# Altium PCB xialeste.PcbDoc (part 9 of 10)
Units mm, origin at the board's own origin, x right, y up, seen from the top; angles counter-clockwise.
Board outline 203.2 x 171.45 mm, 6 copper layers (L1, L2, L3, L4 (PWR), L5, L6), stack 1.542 mm thick; 748 components, 618 nets, 3334 pads, 1535 vias.
Unrouted connection lines stored in the file: 160.
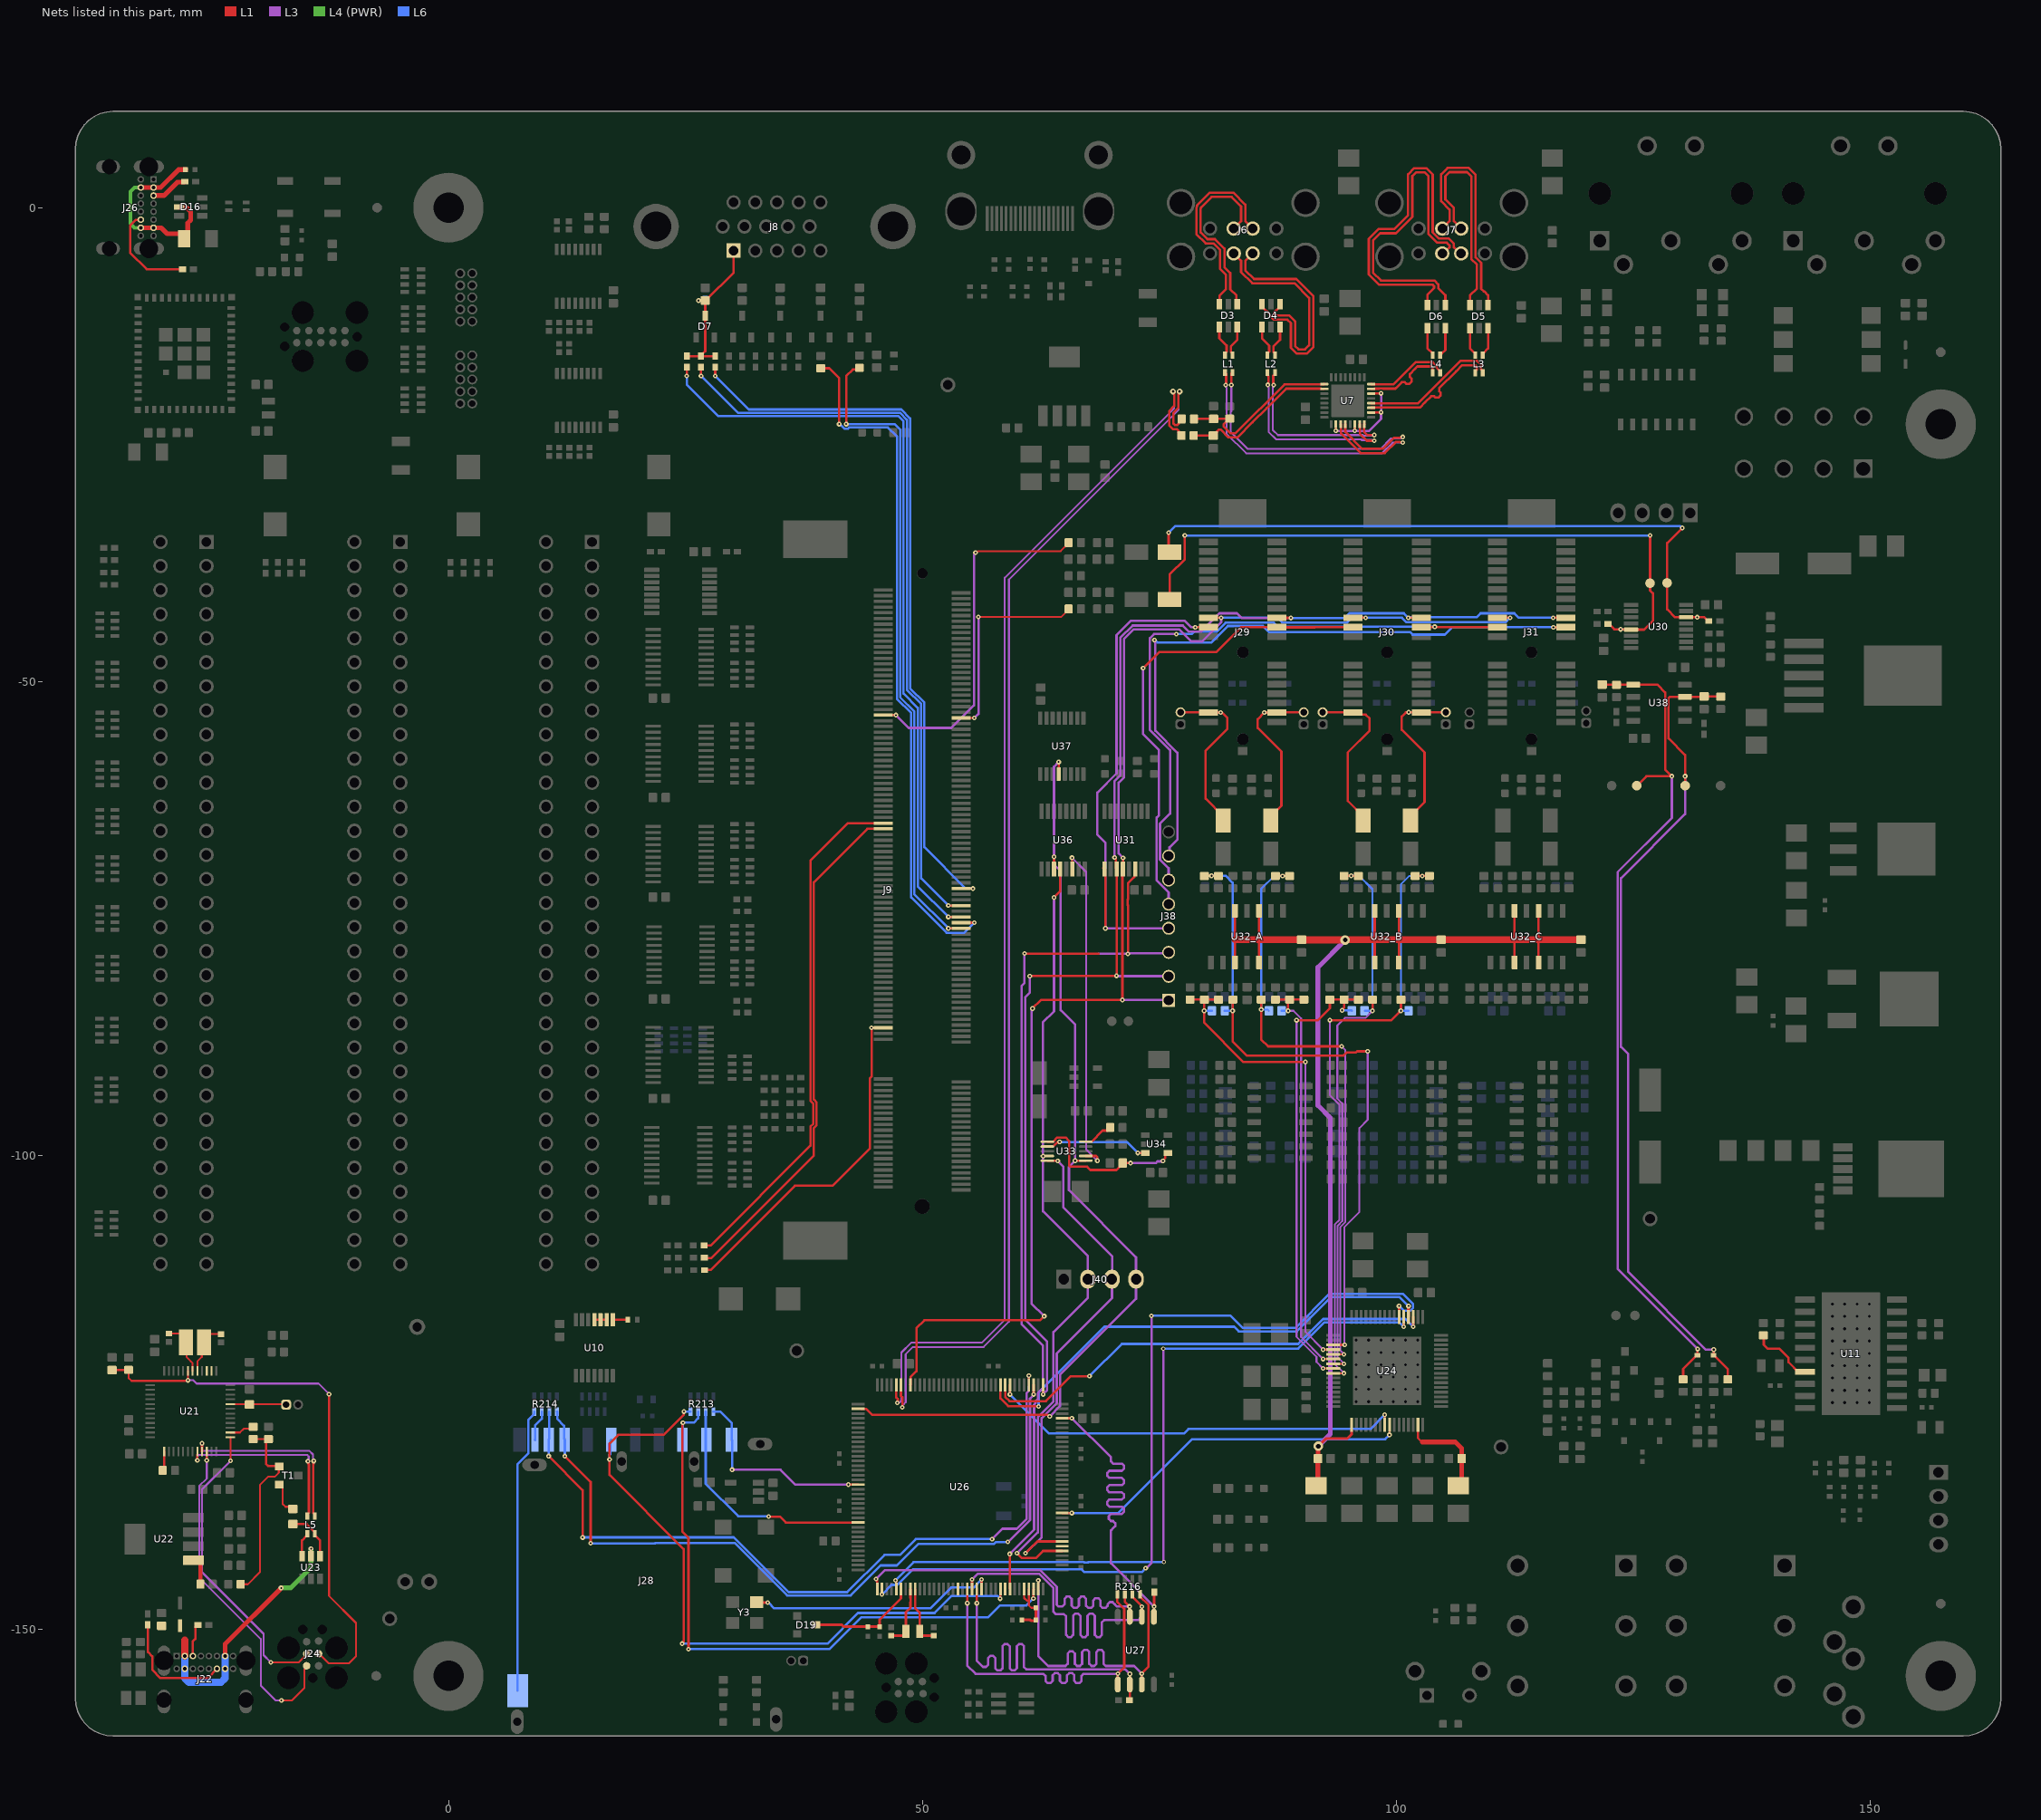
[diagram p13: the nets of this part, all layers, seen from the top]

## Via types
v1: diameter 0.5, hole 0.2, L1 to L6, tented both sides, 977 vias
v2: diameter 1, hole 0.5, L1 to L6, 416 vias
v3: diameter 0.6, hole 0.3, L1 to L6, 96 vias
v4: diameter 0.45, hole 0.25, L1 to L6, 26 vias
v5: diameter 0.5, hole 0.2, L1 to L6, 10 vias
v6: diameter 1, hole 0.5, L1 to L6, tented both sides, 10 vias

## Nets (pads, with @x,y where several pads share a name; then routed paths per layer and width w, separated by ;. In a path a pad name is that pad's centre, name@x,y a point inside that pad or via, vN(x,y) a via of type N, cw(c..) or ccw(c..) an arc to the next point about the centre after c; other vN are vias at no path point) (continued)
NetR127_2: R127.2 U11.17 | length 7
  L1 w0.25: R127.2@138.8,-118.75 138.8,-120 139.2,-120.4 140.425,-120.4 141.413,-121.387 141.413,-121.843 142.425,-122.855 U11.17@143.15,-122.855
NetR193_1: R193.1 R194.1 R195.2 T1.1 | length 20.6
  L1 w0.2: R193.1@-21.932,-145.267 -21.167,-145.267 -19.9,-144 -19.9,-134.8 -19,-133.9 -18.3,-133.9 -17.893,-133.493 -17.9,-133.487 T1.1@-17.9,-132.9 ; R194.1@-20.6,-129.95 -19.262,-129.95 R195.2@-19.25,-129.938
  L1 w0.25: R195.2@-19,-129.95 -19.25,-129.95 -19.25,-132.569 -19.034,-132.785 -17.898,-132.785 T1.1@-17.851,-132.832
NetR196_1: R196.1 T1.2 | length 3.5
  L1 w0.2: T1.2@-17.851,-134.732 -17.801,-134.732 -17.501,-135.032 -17.501,-136.792 -17.202,-137.091 -16.632,-137.091 R196.1@-16.413,-137.31
NetR215_2: R215.2 U10.8 | length 1.6
  L1 w0.25: U10.8@17.35,-117.35 17.357,-117.343 18.836,-117.343 R215.2@18.879,-117.3
NetR290_1: R290.1 U22.1 | length 3
  L1 w0.4: U22.1@-26.9,-142.75 -26.475,-142.75 -26.175,-143.05 R290.1@-26.175,-145.25
NetU10_9: U10.9 U10.10 U10.11 | length 1.6
  L1 w0.25: U10.11@15.4,-117.35 U10.10@16.05,-117.35 16.694,-117.35 U10.9@16.78,-117.437 ; U10.9@16.6,-117.25 U10.9@16.7,-117.35
O_N: C200.1 U33.1 U34.4 | length 16.8
  L1 w0.25: U33.1@63.202,-98.572 63.802,-98.572 64.249,-98.125 65.125,-98.125 65.5,-98.5 65.5,-101.054 65.646,-101.2 67.4,-101.2 67.747,-101.547 70.477,-101.547 71.152,-100.872 C200.1@71.152,-100.822 v1(71.977,-100.822) ; v1(75.4,-100.6) 75.4,-100.532 75.654,-100.279 75.654,-99.947 75.829,-99.772 U34.4@75.927,-99.772
  L3 w0.25: v1(71.977,-100.822) 74.65,-100.822 74.824,-100.648 75.352,-100.648 v1(75.4,-100.6)
O_P: U33.2 U34.3 | length 11
  L1 w0.25: U33.2@63.202,-99.072 63.802,-99.072 64.236,-98.638 64.462,-98.638 v1(64.5,-98.6) ; v1(72.75,-99.75) 72.761,-99.761 73.516,-99.761 U34.3@73.527,-99.772
  L6 w0.25: v1(64.5,-98.6) 71.6,-98.6 v1(72.75,-99.75)
OSCI: C109.1 U21.5 X1.1 | length 5.2
  L1 w0.2: U21.5@-26.5,-122.35 -26.5,-121.75 -26.033,-121.283 -26.033,-119.753 -25.915,-119.635 -25.15,-118.87 C109.1@-24,-118.87
OSCO: C110.1 U21.6 X1.2 | length 5.6
  L1 w0.2: C110.1@-29.5,-118.81 -28.35,-118.81 -27.7,-119.46 X1.2@-27.7,-119.75 -27.642,-119.808 -27.642,-121.283 -27.173,-121.752 -27,-121.925 U21.6@-27,-122.75
OUT_L: C210.2 R129.1 R131.2 R279.2 TP12.1 U38.1 | length 90.3
  L1 w0.25: C210.2@121.75,-50.325 121.77,-50.345 123.25,-50.345 U38.1@125.025,-50.345 127.595,-50.345 128.4,-51.15 128.4,-59.3 v1(129.1,-60) 126.4,-60 TP12.1@125.4,-61 ; R129.1@130.3,-123.65 130.3,-122.55 131.7,-121.15 R131.2@131.7,-121.1 ; R131.2@131.806,-121.04 131.808,-121.038 131.808,-120.455 v1(131.815,-120.448)
  L3 w0.25: v1(129.1,-60) 129.1,-64.4 123.375,-70.125 123.375,-111.975 131.815,-120.415 v1(131.815,-120.448)
OUT_R: C213.2 R128.1 R130.2 R283.2 TP15.1 U38.7 | length 87.6
  L1 w0.25: TP15.1@130.5,-61.024 TP15.1@130.5,-61 v1(130.5,-60) 130.5,-57.75 128.75,-56 128.75,-51.761 128.896,-51.615 U38.7@130.475,-51.615 130.5,-51.5 130.615,-51.615 132.46,-51.615 C213.2@132.5,-51.575 134.175,-51.575 134.2,-51.55 134.25,-51.5 R283.2@134.25,-51.6 ; v1(133.525,-120.505) 133.512,-120.517 133.512,-121.088 R130.2@133.5,-121.1 133.55,-121.1 135,-122.55 135,-123.6 R128.1@135.1,-123.7
  L3 w0.25: v1(130.5,-60) 130.5,-64 123.725,-70.775 123.725,-88.55 124.5,-89.325 124.5,-112.3 132.705,-120.505 v1(133.525,-120.505)
OVERCUR: U7.10 U7.14 U7.18 U7.22 | length 11.9
  L1 w0.25: v1@93.6,-23.546 93.619,-23.527 v1@93.646,-23.499 ; v1(93.646,-23.554) v1@93.646,-23.499 ; U7.10@93.65,-22.85 93.646,-22.867 v1@93.646,-23.499 ; v1@95.6,-23.546 95.619,-23.527 v1@95.646,-23.499 ; v1(95.646,-23.554) v1@95.646,-23.499 ; U7.14@95.65,-22.85 95.646,-22.852 v1@95.646,-23.499 ; U7.18@97.375,-21.625 97.39,-21.61 97.749,-21.61 97.762,-21.597 98.414,-21.597 v1(98.417,-21.6) ; U7.22@97.375,-19.625 97.388,-19.625 97.403,-19.61 97.749,-19.61 97.762,-19.597 v1@98.403,-19.597 ; v1@98.4,-19.6 v1@98.403,-19.597 ; v1(98.407,-19.593) v1@98.403,-19.597 ; v1@98.447,-19.593 98.44,-19.578 98.438,-19.575 98.416,-19.597 v1@98.403,-19.597
  L3 w0.25: v1@93.6,-23.546 93.6,-23.6 93.613,-23.587 95.587,-23.587 95.6,-23.6 v1@95.6,-23.546 ; v1@95.613,-23.587 97.113,-23.587 98.417,-22.283 v1(98.417,-21.6) ; v1(98.407,-19.593) 98.447,-19.593 v1@98.447,-21.563
P_BOOT0: J25.1 R203.1 U21.44 | length 6
  L1 w0.2: U21.44@-23,-126.25 J25.1@-17,-126.25
P_CLK: J24.4 U21.37 | length 32.2
  L1 w0.2: v1(-23,-132.25) U21.37@-23,-129.75 ; v1(-18.75,-153.5) -16.962,-153.5 ccw(c-16.875,-151.965) -16.788,-153.5 -15.776,-153.5 -14.97,-152.694 J24.4@-14.97,-152.6
  L3 w0.2: v1(-23,-132.25) -26,-135.25 -26,-144 -19.5,-150.5 -19.5,-152.75 v1(-18.75,-153.5)
P_DIO: J24.2 U21.34 | length 35.9
  L1 w0.2: v1(-25.5,-132.2) U21.34@-25.5,-131.25 ; v1(-17.626,-157.522) -16.522,-157.522 -15.2,-156.2 -15.2,-154.26 -14.97,-154.03 J24.2@-14.97,-153.87
  L3 w0.2: v1(-25.5,-132.2) -25.5,-134.109 -26.3,-134.909 -26.3,-144.55 -19.8,-151.05 -19.8,-155.95 -18.228,-157.522 v1(-17.626,-157.522)
P_NRST: C111.1 J24.3 R189.2 U21.7 | length 58.9
  L1 w0.2: C111.1@-35.5,-122.675 -35.478,-122.653 -33.753,-122.653 R189.2@-33.75,-122.65 -33.75,-123.5 -33.45,-123.8 -27.727,-123.8 -27.725,-123.798 -27.615,-123.798 v1@-27.568,-123.75 ; v1(-27.5,-123.75) U21.7@-27.5,-122.75 ; J24.3@-13.7,-152.6 -13.65,-152.6 -12.65,-153.6 -10.5,-153.6 -9.75,-152.85 -9.75,-149.35 -12.6,-146.5 v1(-12.6,-125.2)
  L3 w0.2: v1(-27.5,-123.75) -26.913,-123.75 -26.574,-124.09 -13.71,-124.09 v1(-12.6,-125.2)
PB12: R192.2 U21.25 | length 2.1
  L1 w0.2: R192.2@-30.15,-133.25 -30,-133.1 U21.25@-30,-131.25
PC13: U21.2
PC14: U21.3
PSG_BL: J9.156 R69.1 | length 37.6
  L1 w0.2: v1(55.617,-36.414) 55.684,-36.414 55.848,-36.25 64.6,-36.25 65.45,-35.4 R69.1@65.45,-35.35
  L1 w0.25: J9.156@45.9,-53.55 v1(47.233,-53.55)
  L3 w0.25: v1(47.233,-53.55) 48.583,-54.9 53.072,-54.9 55.455,-52.516 55.455,-36.629 55.617,-36.468 v1(55.617,-36.414)
PSG_BR: J9.155 R72.1 | length 22.1
  L1 w0.2: J9.155@54.1,-53.85 v1(55.5,-53.85) ; v1(55.93,-43.201) 64.649,-43.201 65.45,-42.4 R72.1@65.45,-42.35
  L3 w0.25: v1(55.5,-53.85) 55.93,-53.42 v1(55.93,-43.201)
PSG_L: C52.2 R281.1 TP13.1 U30.14 | length 70.5
  L1 w0.25: v1(76,-34.3) 76,-36 C52.2@76.1,-36.1 ; v1(130.2,-33.8) 128.6,-35.4 TP13.1@128.6,-39.6 128.6,-42.4 129.425,-43.225 U30.14@130.6,-43.225 v1(131.775,-43.225) 132.525,-43.225 R281.1@132.749,-43.449 ; R281.1@132.75,-43.449 R281.1@132.9,-43.599
  L6 w0.25: v1(76,-34.3) 76.675,-33.625 129.971,-33.625 130.146,-33.8 v1(130.2,-33.8)
PSG_R: C57.2 R285.1 TP16.1 U30.5 | length 71
  L1 w0.25: C57.2@76.1,-41.35 76.1,-38.718 77.7,-37.118 v1(77.7,-34.6) ; R285.1@122.375,-43.925 122.45,-43.925 123.025,-44.5 v1(123.7,-44.5) 123.712,-44.512 124.788,-44.512 U30.5@124.8,-44.525 126.175,-44.525 127.1,-43.6 127.1,-40.7 126.8,-40.4 126.8,-39.9 TP16.1@127,-39.7 ; TP16.1@126.8,-39.6 v1(126.8,-34.6)
  L6 w0.25: v1(77.7,-34.6) v1(126.8,-34.6)
QSPI_BK_IO0: R216.1 U26.20 U27.5 | length 39
  L1 w0.25: v1(54.747,-147.262) 54.747,-146.686 54.748,-146.684 54.748,-145.778 U26.20@54.75,-145.776 ; R216.1@70.585,-146.311 70.585,-147.131 71.309,-147.855 71.309,-154.047 70.643,-154.712 v1@70.643,-154.719 ; U27.5@70.63,-155.836 70.636,-155.83 70.636,-154.726 v1@70.643,-154.719 ; v1(70.637,-154.712) v1@70.643,-154.719
  L3 w0.25: v1(54.747,-147.262) 54.747,-153.847 55.612,-154.712 59.422,-154.712 62.778,-154.712 63.005,-154.94 63.005,-155.457 63.232,-155.685 63.536,-155.685 63.763,-155.457 63.763,-154.862 63.99,-154.635 64.294,-154.635 64.521,-154.862 64.521,-155.457 64.748,-155.685 65.052,-155.685 65.279,-155.457 65.279,-154.862 65.506,-154.635 65.81,-154.635 66.037,-154.862 66.037,-155.457 66.264,-155.685 66.568,-155.685 66.795,-155.457 66.795,-154.94 67.022,-154.712 67.147,-154.712 v1(70.637,-154.712)
QSPI_BK_IO1: R216.3 U26.21 U27.2 | length 38.9
  L1 w0.25: U26.21@55.25,-145.776 v1(55.25,-144.772) ; R216.3@72.185,-146.311 72.185,-146.561 73.19,-147.567 73.19,-147.611 v1@73.18,-147.622 ; U27.2@73.17,-148.686 73.18,-148.676 v1@73.18,-147.622 ; v1(73.17,-147.631) v1@73.18,-147.622
  L3 w0.25: v1(55.25,-144.772) 55.869,-144.153 62.325,-144.153 63.842,-145.669 63.842,-148.155 64.06,-148.373 64.106,-148.419 64.943,-148.419 65.17,-148.646 65.17,-150.617 65.398,-150.844 65.701,-150.844 65.928,-150.617 65.928,-148.596 66.156,-148.369 66.459,-148.369 66.686,-148.596 66.686,-150.617 66.914,-150.844 67.217,-150.844 67.444,-150.617 67.444,-148.596 67.672,-148.369 67.975,-148.369 68.202,-148.596 68.202,-150.617 68.43,-150.844 68.733,-150.844 68.96,-150.617 68.96,-149.276 69.188,-149.048 72.666,-149.048 72.777,-149.048 73.17,-148.655 v1(73.17,-147.631)
QSPI_BK_IO2: R216.2 U26.1 U27.3 | length 39.1
  L1 w0.25: v1(45.114,-144.714) 45.114,-144.768 45.235,-144.889 45.235,-145.761 U26.1@45.25,-145.776 ; R216.2@71.385,-146.311 71.385,-147.129 v1(71.867,-147.611) 71.883,-147.628 71.883,-148.67 U27.3@71.9,-148.686
  L3 w0.25: v1(45.114,-144.714) 46.045,-143.784 62.451,-143.784 64.192,-145.524 64.192,-147.43 64.373,-147.611 64.66,-147.611 64.785,-147.611 65.012,-147.384 65.012,-146.798 65.24,-146.571 65.543,-146.571 65.77,-146.798 65.77,-147.529 65.998,-147.757 66.301,-147.757 66.528,-147.529 66.528,-146.798 66.756,-146.571 67.059,-146.571 67.286,-146.798 67.286,-147.529 67.514,-147.757 67.817,-147.757 68.044,-147.529 68.044,-146.969 68.272,-146.742 68.575,-146.742 68.802,-146.969 68.802,-147.529 69.03,-147.757 69.333,-147.757 69.56,-147.529 69.56,-147.384 69.788,-147.157 70.091,-147.157 70.318,-147.384 70.546,-147.611 70.684,-147.611 v1(71.867,-147.611)
QSPI_BK_IO3: R216.4 U26.35 U27.7 | length 39.1
  L1 w0.25: U26.35@62.25,-145.776 v1@62.249,-144.861 ; R216.4@72.985,-146.311 72.985,-146.561 73.876,-147.453 73.876,-153.947 73.16,-154.662 v1(73.16,-154.712) 73.165,-154.717 73.165,-155.832 U27.7@73.17,-155.836
  L3 w0.25: v1(62.249,-144.86) 62.25,-144.862 62.25,-152.845 63.299,-153.894 63.563,-153.894 65.118,-153.894 65.346,-153.666 65.346,-152.577 65.573,-152.349 65.876,-152.349 66.104,-152.577 66.104,-153.666 66.331,-153.894 66.634,-153.894 66.862,-153.666 66.862,-152.415 67.089,-152.188 67.392,-152.188 67.62,-152.415 67.62,-153.666 67.847,-153.894 68.15,-153.894 68.378,-153.666 68.378,-152.415 68.605,-152.188 68.908,-152.188 69.136,-152.415 69.136,-153.666 69.363,-153.894 70.246,-153.894 70.288,-153.894 70.295,-153.887 70.978,-153.887 70.985,-153.894 72.342,-153.894 v1(73.16,-154.712)
QSPI_BK_NCS: R211.1 U26.69 U27.1 | length 39.1
  L1 w0.25: U26.69@64.776,-127.75 v1(65.78,-127.75) ; U27.1@74.44,-148.686 74.455,-148.672 74.455,-147.626 v1@74.463,-147.617 ; v1(74.469,-147.611) v1@74.463,-147.617 ; R211.1@74.487,-146.096 74.463,-146.12 v1@74.463,-147.617
  L3 w0.25: v1(65.78,-127.75) 69.909,-131.879 69.909,-132.179 69.909,-132.304 70.137,-132.531 71.061,-132.531 71.289,-132.759 71.289,-133.062 71.061,-133.289 69.757,-133.289 69.53,-133.517 69.53,-133.82 69.757,-134.047 71.061,-134.047 71.289,-134.275 71.289,-134.578 71.061,-134.805 69.757,-134.805 69.53,-135.033 69.53,-135.336 69.757,-135.563 71.061,-135.563 71.289,-135.791 71.289,-136.094 71.061,-136.321 69.757,-136.321 69.53,-136.549 69.53,-136.852 69.757,-137.079 71.061,-137.079 71.289,-137.307 71.289,-137.61 71.061,-137.837 69.909,-137.837 69.681,-138.065 69.681,-138.368 69.909,-138.595 70.137,-138.595 70.364,-138.823 70.364,-139.126 70.137,-139.353 69.909,-139.581 69.909,-141.402 69.909,-143.051 v1(74.469,-147.611)
QSPI_CLK: R210.1 U26.22 U27.6 | length 39.1
  L1 w0.25: U26.22@55.75,-145.776 55.754,-145.78 55.754,-147.258 v1(55.758,-147.262) ; R210.1@71.86,-157.511 71.9,-157.471 U27.6@71.9,-155.836 71.905,-155.831 71.905,-154.737 v1(71.911,-154.731)
  L3 w0.25: v1(55.758,-147.262) 55.758,-148.28 55.758,-153.108 55.758,-153.344 56.038,-153.623 56.402,-153.987 56.723,-153.987 56.951,-153.76 56.951,-153.055 57.178,-152.827 57.481,-152.827 57.709,-153.055 57.709,-154.135 57.936,-154.362 58.239,-154.362 58.467,-154.135 58.467,-151.81 58.694,-151.582 58.997,-151.582 59.225,-151.81 59.225,-154.135 59.452,-154.362 59.755,-154.362 59.983,-154.135 59.983,-151.81 60.21,-151.582 60.513,-151.582 60.741,-151.81 60.741,-154.016 60.968,-154.244 63.242,-154.244 63.367,-154.244 70.433,-154.244 70.44,-154.237 70.833,-154.237 70.84,-154.244 71.424,-154.244 v1(71.911,-154.731)
R1: J9.85 R55.1 | length 81.9
  L1 w0.25: v1(25.15,-17.75) R55.1@25.15,-16.825 ; v1(52.75,-74.85) J9.85@54.1,-74.85
  L6 w0.25: v1(25.15,-17.75) 25.15,-18.65 28.5,-22 47.5,-22 48.025,-22.525 48.025,-51.275 49.525,-52.775 49.525,-71.625 v1(52.75,-74.85)
R2: J9.89 R56.1 | length 79
  L1 w0.25: v1(26.65,-17.75) R56.1@26.65,-16.825 ; v1(52.75,-73.65) J9.89@54.1,-73.65
  L6 w0.25: v1(26.65,-17.75) 30.55,-21.65 47.645,-21.65 48.375,-22.38 48.375,-50.875 49.875,-52.375 49.875,-70.775 v1(52.75,-73.65)
R3: J9.95 R57.1 | length 77.4
  L1 w0.25: v1(28.15,-17.75) R57.1@28.15,-16.825 ; J9.95@54.1,-71.85 54.102,-71.852 55.348,-71.852 v1(55.35,-71.854)
  L6 w0.25: v1(28.15,-17.75) 31.7,-21.3 47.79,-21.3 48.725,-22.235 48.725,-50.725 50.225,-52.225 50.225,-67.492 54.588,-71.854 v1(55.35,-71.854)
RAMDIS: J9.116 R170.1 | length 54.8
  L1 w0.25: R170.1@27.004,-110.836 27.752,-110.836 38.55,-100.038 38.55,-97.119 38.85,-96.819 38.85,-94.412 38.55,-94.112 38.55,-71.188 44.188,-65.55 J9.116@45.9,-65.55
RCC_OSC32_IN: C150.2 U26.8 Y2.2 | length 6.5
  L1 w0.25: C150.2@46.725,-150.69 48.025,-150.69 48.275,-150.44 Y2.2@48.275,-150.25 48.275,-148.225 48.75,-147.75 48.75,-147.192 48.775,-147.167 48.775,-146.733 48.75,-146.708 U26.8@48.75,-145.776
RCC_OSC32_OUT: C151.2 U26.9 Y2.1 | length 6.5
  L1 w0.25: U26.9@49.25,-145.776 49.25,-147.758 49.725,-148.233 Y2.1@49.725,-150.25 49.725,-150.44 49.975,-150.69 C151.2@51.225,-150.69
READY: J9.46 R171.1 | length 36.8
  L1 w0.25: R171.1@27.046,-112.092 27.659,-112.092 36.54,-103.211 40.525,-103.211 44.489,-99.248 44.489,-91.868 44.675,-91.682 44.675,-88.932 44.65,-88.907 v1(44.65,-86.55) J9.46@45.9,-86.55
RED: C46.2 D7.3 J8.1 R55.2 R56.2 R57.2 R63.2 | length 17.1
  L1 w0.25: R55.2@25.15,-15.675 R56.2@26.65,-15.675 ; v1@26.352,-9.802 v1(26.398,-9.802) 27.098,-9.802 C46.2@27.1,-9.8 ; R57.2@28.15,-15.675 R56.2@26.65,-15.675 ; J8.1@30.09,-4.53 30.09,-6.86 27.15,-9.8 C46.2@27.1,-9.8 ; R56.2@26.65,-15.675 26.65,-15.6 27.1,-15.15 D7.3@27.1,-11.4 C46.2@27.1,-9.8
  L6 w0.25: v1@26.352,-9.802 26.35,-9.804 26.996,-9.804 R63.2@27.1,-9.7 ; v1(26.398,-9.802) v1@26.4,-9.8
RENUM: R194.2 U21.38 | length 2.6
  L1 w0.2: U21.38@-23,-129.25 -22,-129.25 -21.594,-128.844 -20.794,-128.844 R194.2@-20.6,-128.65
RFB: R278.1 U33.10 | length 3.2
  L1 w0.25: U33.10@67.252,-98.572 67.852,-98.572 69.027,-97.397 69.527,-97.397 69.827,-97.097 R278.1@69.827,-97.072
ROMDIS: J9.118 R169.1 | length 55.2
  L1 w0.25: R169.1@26.982,-109.514 27.679,-109.514 38.2,-98.993 38.2,-96.974 38.5,-96.674 38.5,-94.557 38.2,-94.257 38.2,-68.91 42.16,-64.95 J9.118@45.9,-64.95
S_STUSB_D_N: L5.1 U23.6 | length 2.6
  L1 w0.25: U23.6@-15.45,-142.3 -15.45,-140.65 -14.9,-140.1 L5.1@-14.9,-139.925
S_STUSB_D_P: L5.2 R196.2 U23.4 | length 5.4
  L1 w0.25: R196.2@-16.413,-138.91 -14.958,-138.91 -14.193,-139.675 -14.175,-139.675 -14.1,-139.75 -14.1,-140.1 -13.55,-140.65 U23.4@-13.55,-142.3
SAI1_SD_A: U24.37 U26.5 | length 80.5
  L1 w0.25: v1(47.163,-144.863) 47.163,-144.931 47.235,-145.003 47.235,-145.761 U26.5@47.25,-145.776
  L1 w0.3: v1(100.81,-118.1) U24.37@100.81,-117.05
  L3 w0.25: v4(75.43,-120.403) 75.459,-120.432 75.459,-142.902 v4(75.487,-142.931)
  L6 w0.25: v1(47.163,-144.863) 47.163,-144.844 49.076,-142.931 67.059,-142.931 67.103,-142.975 67.497,-142.975 67.541,-142.931 v4(75.487,-142.931) ; v4(75.43,-120.403) 89.678,-120.403 92.456,-117.625 100.335,-117.625 v1(100.81,-118.1)
SAI1_SD_B: U24.38 U26.2 | length 90.1
  L1 w0.25: v1(45.75,-146.325) U26.2@45.75,-145.776
  L1 w0.3: U24.38@100.31,-117.05 v1(100.31,-115.91)
  L3 w0.25: v1(73.576,-143.571) 73.643,-143.571 74.188,-143.026 v1(74.188,-116.936)
  L6 w0.25: v1(45.75,-146.325) 45.778,-146.325 46.765,-145.338 47.359,-145.338 49.001,-143.696 66.824,-143.696 67.103,-143.975 73.172,-143.975 v1(73.576,-143.571) ; v1(74.188,-116.936) 82.53,-116.936 83.821,-118.227 89.379,-118.227 92.982,-114.623 100.695,-114.623 101.785,-115.713 101.785,-116.107 101.507,-116.385 100.785,-116.385 v1(100.31,-115.91)
SAI2_FS_A: U24.35 U26.81 | length 49.5
  L1 w0.25: U26.81@58.75,-124.224 58.75,-125.485 59.2,-125.935 63.062,-125.935 65.687,-123.31 v1(67.651,-123.31)
  L1 w0.3: v1(101.81,-118.1) U24.35@101.81,-117.05
  L6 w0.25: v1(67.651,-123.31) 71.058,-119.903 89.683,-119.903 92.311,-117.275 100.985,-117.275 v1(101.81,-118.1)
SAI2_SCK_A: U24.36 U26.82 | length 52.4
  L1 w0.25: U26.82@58.25,-124.224 58.25,-125.66 59.065,-126.475 62.249,-126.475 v1(62.279,-126.505)
  L1 w0.3: U24.36@101.31,-117.05 v1(101.31,-115.91)
  L6 w0.25: v1(62.279,-126.505) 62.275,-126.501 62.275,-125.032 69.215,-118.091 82.904,-118.091 83.389,-118.577 89.524,-118.577 93.127,-114.973 100.359,-114.973 101.296,-115.91 v1(101.31,-115.91)
SAI2_SD_A: U24.8 U26.80 | length 44.2
  L1 w0.2: v1(98.805,-127.385) 98.808,-127.388 98.808,-128.448 U24.8@98.81,-128.45
  L1 w0.25: U26.80@59.25,-124.224 59.251,-124.225 59.251,-125.233 v1@59.253,-125.234
  L6 w0.25: v1@59.253,-125.234 59.253,-125.253 63.359,-129.359 77.607,-129.359 78.079,-128.886 97.304,-128.886 v1(98.805,-127.385)
  other v1: 59.253,-125.229
SAI2_SD_B: U24.9 U26.49 | length 39
  L1 w0.2: v1(99.3,-129.5) 99.305,-129.495 99.305,-128.455 U24.9@99.31,-128.45
  L1 w0.25: U26.49@64.776,-137.75 v1(65.78,-137.75)
  L6 w0.25: v1@65.8,-137.8 65.85,-137.75 70.703,-137.75 78.5,-129.953 98.847,-129.953 v1(99.3,-129.5)
SAI4_SD_B: U26.18
SD_CD: J28.10 R214.3 | length 3.3
  L6 w0.25: J28.10@9.12,-130.02 9.134,-130.047 9.134,-128.525 9.85,-127.809 R214.3@9.85,-127.05
SD_WP: J28.12 R214.4 | length 30.2
  L6 w0.25: J28.12@7.29,-156.5 7.29,-132.583 8.445,-131.428 8.445,-127.905 9.05,-127.3 R214.4@9.05,-127.05
SDMMC2_CLK: J28.5 R213.4 U26.27 | length 73.5
  L1 w0.25: v1(24.664,-151.534) 24.664,-151.48 24.818,-151.325 24.818,-141.542 17,-133.724 17,-130.415 17.915,-129.5 22.7,-129.5 24.832,-127.368 24.832,-127.076 v1(24.861,-127.048) ; v1(58.222,-146.787) 58.236,-146.773 58.236,-145.79 U26.27@58.25,-145.776
  L6 w0.25: v1(17,-132.1) 17,-131.6 17.101,-131.499 17.101,-130.114 J28.5@17.195,-130.02 ; v1(24.664,-151.534) 39.996,-151.534 43.23,-148.3 51.3,-148.3 53.106,-146.494 57.928,-146.494 v1(58.222,-146.787) ; v1@24.896,-127.05 R213.4@25.55,-127.05
SDMMC2_CMD: J28.2 R213.3 U26.34 | length 68.1
  L1 w0.25: v1(24.741,-128.214) 24.693,-128.262 24.693,-128.439 24.689,-128.443 24.689,-139.737 25.327,-140.375 v1(25.327,-152.115) ; v1(61.726,-146.78) 61.738,-146.768 61.738,-145.788 U26.34@61.75,-145.776
  L6 w0.25: J28.2@24.695,-130.02 24.741,-129.974 v1(24.741,-128.214) 24.748,-128.207 25.902,-128.207 26.35,-127.759 R213.3@26.35,-127.05 ; v1(25.327,-152.115) 40.203,-152.115 43.573,-148.745 56.955,-148.745 58.2,-147.5 61.006,-147.5 v1(61.726,-146.78)